# Altium PCB 256sog - killed.PcbDoc (part 3 of 4) (continued)
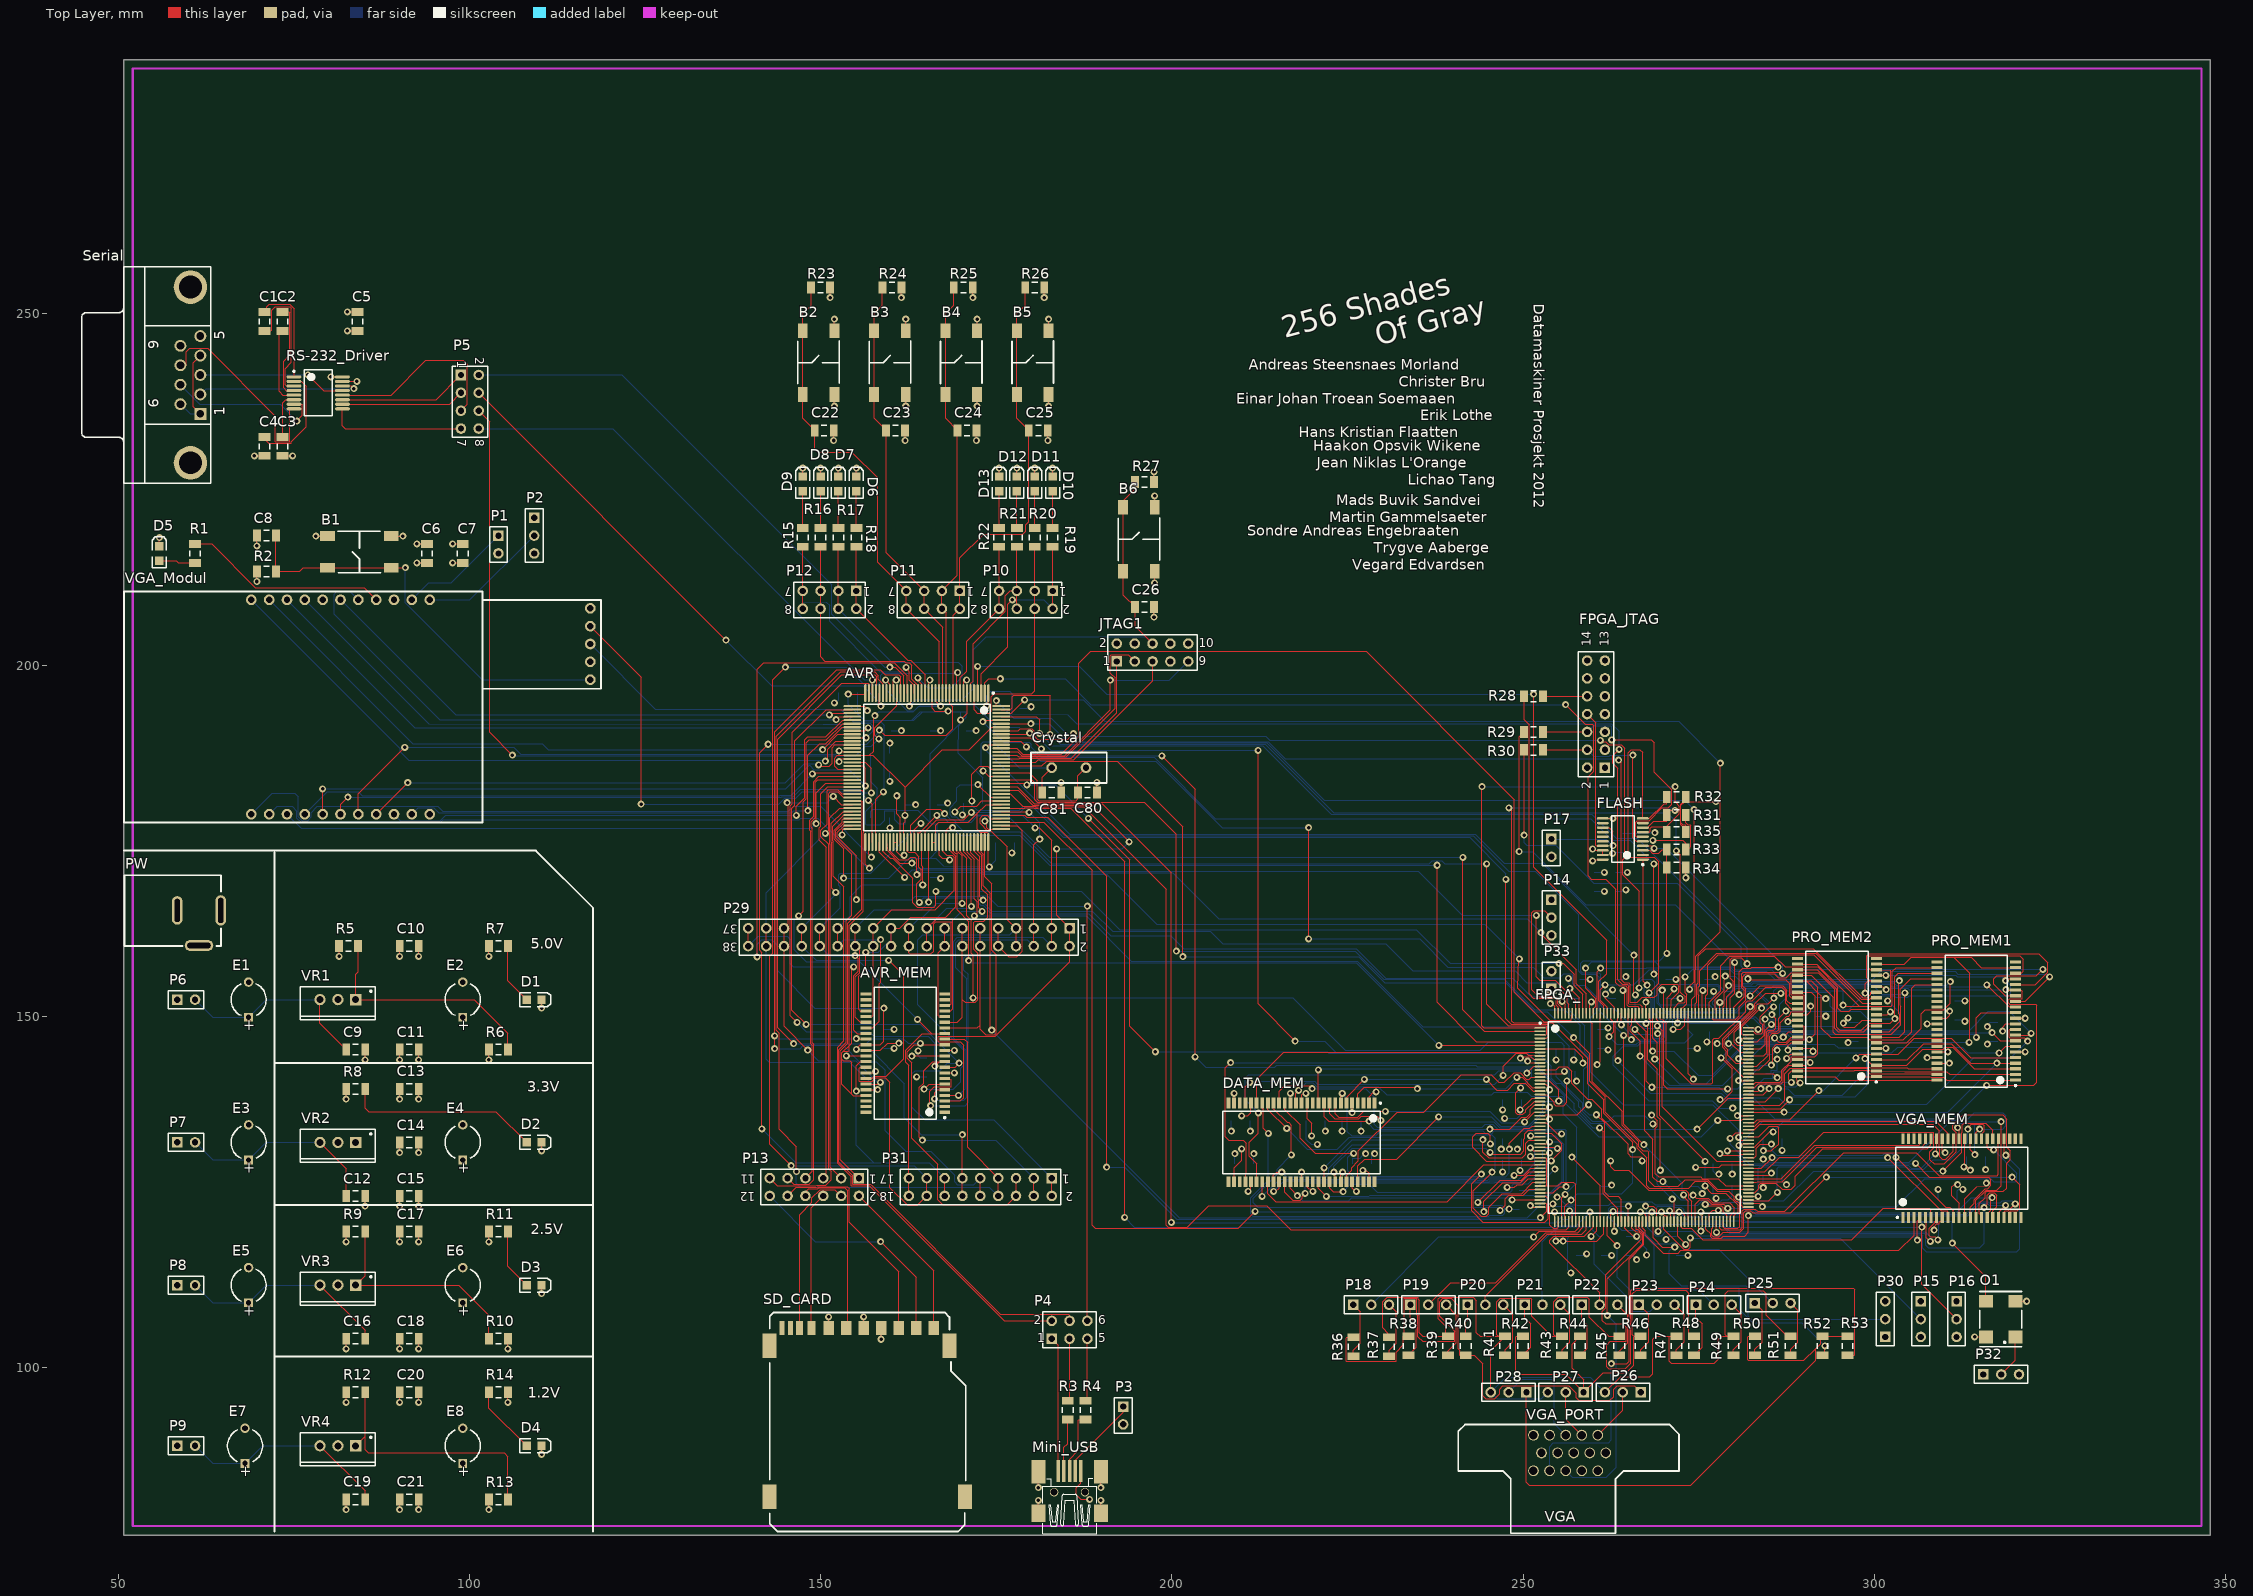
[diagram p0: Top Layer view]
## Nets (pads, with @x,y where several pads share a name; then routed paths per layer and width w, separated by ;. In a path a pad name is that pad's centre, name@x,y a point inside that pad or via, vN(x,y) a via of type N, cw(c..) or ccw(c..) an arc to the next point about the centre after c; other vN are vias at no path point) (continued)
I/O7: AVR.10 AVR_MEM.36 P31.15 P31.16 | length 155
  Top Layer w0.1: v1(144.983,199.72) 143.18,197.917 143.18,159.004 142.773,158.598 142.773,131.801 v1(145.796,128.778) ; AVR_MEM.36@156.452,142.78 155.651,142.78 155.524,142.653 155.524,140.792 157.339,140.792 157.856,141.31 159.198,141.31 159.842,140.665 159.842,125.654 162.357,123.139 163.779,123.139 P31.16@165.1,124.46 P31.15@165.1,127 ; AVR.10@169.35,196.02 169.35,198.814 v1(169.494,198.958)
  Bottom Layer w0.1: v1(144.983,199.72) 153.685,199.72 156.174,197.231 158.09,197.231 158.521,197.663 158.521,198.552 158.84,198.87 169.406,198.87 v1(169.494,198.958) ; v1(145.796,128.778) 163.322,128.778 P31.15@165.1,127
LED0: AVR.3 P10.1 P10.2 R19.2 | length 30.2
  Top Layer w0.1: AVR.3@172.85,196.02 172.85,198.78 176.657,202.587 176.657,208.686 v1(177.267,209.296) ; P10.2@183.007,208.026 P10.1@183.007,210.566 R19.2@183.007,216.836
  Bottom Layer w0.1: v1(177.267,209.296) 181.737,209.296 P10.2@183.007,208.026
LED1: AVR.5 P10.3 P10.4 R20.2 | length 34.2
  Top Layer w0.1: AVR.5@171.85,196.02 171.85,193.631 172.314,193.167 173.99,193.167 174.269,193.446 174.269,195.478 174.701,195.91 180.035,195.91 180.467,196.342 P10.4@180.467,208.026 P10.3@180.467,210.566 R20.2@180.467,216.836
LED2: AVR.6 P10.5 P10.6 R21.2 | length 26.6
  Top Layer w0.1: AVR.6@171.35,196.02 171.35,197.409 171.679,197.737 171.679,203.045 176.287,207.653 176.287,209.866 176.987,210.566 P10.5@177.927,210.566 ; P10.6@177.927,208.026 P10.5@177.927,210.566 ; R21.2@177.927,216.836 P10.5@177.927,210.566
LED3: AVR.9 P10.7 P10.8 R22.2 | length 23.1
  Top Layer w0.1: AVR.9@169.85,196.02 169.85,198.247 170.764,199.161 170.764,203.403 P10.8@175.387,208.026 P10.7@175.387,210.566 R22.2@175.387,216.836
LED4: AVR.19 P12.1 P12.2 R18.2 | length 25.1
  Top Layer w0.1: R18.2@155.067,216.836 P12.1@155.067,210.566 P12.2@155.067,208.026 162.374,200.719 162.785,200.719 164.85,198.654 AVR.19@164.85,196.02
LED5: AVR.20 P12.3 P12.4 R17.2 | length 41.3
  Top Layer w0.1: P12.4@152.527,208.026 P12.3@152.527,210.566 R17.2@152.527,216.836 ; v1(163.83,198.196) 163.83,197.827 164.35,197.307 AVR.20@164.35,196.02
  Bottom Layer w0.1: P12.4@152.527,208.026 160.147,200.406 169.57,200.406 170.155,199.822 170.155,198.349 168.58,196.774 165.252,196.774 v1(163.83,198.196)
LED6: AVR.21 P12.5 P12.6 R16.2 | length 33.5
  Top Layer w0.1: R16.2@149.987,216.836 P12.5@149.987,210.566 P12.6@149.987,208.026 149.987,201.168 150.571,200.584 161.917,200.584 162.14,200.361 162.595,200.361 162.983,199.972 162.983,197.996 163.85,197.129 AVR.21@163.85,196.02
LED7: AVR.22 P12.7 P12.8 R15.2 | length 34.2
  Top Layer w0.1: P12.8@147.447,208.026 P12.7@147.447,210.566 R15.2@147.447,216.836 ; v1(162.154,199.695) 162.636,199.009 162.636,197.843 163.35,197.129 AVR.22@163.35,196.02
  Bottom Layer w0.1: P12.8@147.447,208.026 147.447,208.89 150.774,208.991 151.257,208.509 151.257,206.223 158.409,199.07 161.529,199.07 v1(162.154,199.695)
NetAVR_16: AVR.16 AVR.29 AVR.51 AVR.55 AVR.84 AVR.138 C27.2 C28.2 C29.2 C30.2 C31.2 | length 108.2
  Top Layer w0.1: AVR.55@154.5,185.17 152.4,185.17 151.968,185.602 151.968,186.738 152.388,187.158 153.279,187.158 153.279,187.17 AVR.51@154.5,187.17 ; v1(157.709,192.811) 157.519,192.622 157.519,187.757 156.932,187.17 ; v1(159.258,197.891) 159.85,197.299 AVR.29@159.85,196.02 ; AVR.84@161.85,174.82 161.85,177.571 162.001,177.723 v1(162.001,178.613) 162.001,182.601 ; AVR.16@166.35,196.02 166.35,194.863 v1(167.056,194.158) ; AVR.138@175.7,191.17 174.346,191.17 171.11,187.935 167.335,187.935 162.001,182.601 ; AVR.51@154.5,187.17 156.932,187.17 ; AVR.51@154.5,187.17 156.932,187.17 ; 156.932,187.17 157.432,187.17 162.001,182.601
  Bottom Layer w0.1: C27.2@157.146,187.452 C31.2@157.146,184.912 157.146,183.396 158.054,182.489 158.054,180.838 156.439,179.222 156.439,177.394 156.54,177.292 158.496,177.292 159.146,177.942 159.146,179.308 160.553,179.308 160.553,178.003 161.091,177.466 C30.2@162.001,177.466 ; v1(157.709,192.811) 158.271,193.374 C28.2@160.02,193.374 163.144,193.374 163.294,193.524 ; v1(159.258,197.891) 159.258,196.581 162.315,193.524 163.294,193.524 ; v1(162.001,178.613) C30.2@162.001,177.466 ; v1(167.056,194.158) 164.157,194.158 ; C29.2@178.308,191.182 175.061,191.182 171.856,194.386 167.056,194.386 164.157,194.386 164.157,194.158 ; C30.2@162.001,177.466 C30.2@162.052,177.466 C30.2@162.001,177.466 ; 163.294,193.524 163.928,194.158 ; 163.294,193.524 163.928,194.158 ; 163.928,194.158 164.157,194.158 ; 163.928,194.158 164.157,194.158
NetAVR_23: AVR.23 B6.3 B6.4 C26.2 JTAG1.6 R27.1 | length 69.7
  Top Layer w0.1: v1(162.636,194.183) 162.85,194.397 AVR.23@162.85,196.02 ; R27.1@194.738,226.06 194.738,225.091 193.04,223.393 B6.3@193.04,222.46 B6.4@193.04,213.36 193.04,209.978 C26.2@194.738,208.28 194.738,205.566 JTAG1.6@197.231,203.073
  Bottom Layer w0.1: v1(162.636,194.183) 163.551,195.097 170.129,195.097 171.679,196.647 171.679,202.184 173.533,204.038 196.266,204.038 JTAG1.6@197.231,203.073
NetAVR_68: AVR.68 P4.2 | length 93
  Top Layer w0.1: AVR.68@154.5,178.67 153.213,178.67 153.213,178.573 151.724,177.085 151.724,175.015 151.783,174.957 151.783,169.984 153.314,168.453 153.314,146.54 152.405,145.63 152.405,129.138 154.348,127.195 154.348,125.9 156.878,125.9 176.098,106.68 P4.2@182.88,106.68
NetAVR_70: AVR.70 P4.4 | length 95.1
  Top Layer w0.1: AVR.70@154.5,177.67 153.391,177.67 152.129,176.409 152.129,175.357 154.407,173.079 154.407,164.414 153.619,163.627 153.619,146.303 152.605,145.288 152.605,129.276 154.548,127.333 154.548,126.1 157.135,126.1 175.59,107.645 185.318,107.645 185.42,107.544 P4.4@185.42,106.68
NetAVR_71: AVR.71 P4.6 | length 106
  Top Layer w0.1: AVR.71@154.5,177.17 153.319,177.17 152.375,176.225 152.375,175.59 155.067,172.898 v1(155.067,166.649) ; P4.6@187.96,106.68 v1(187.96,165.71)
  Bottom Layer w0.1: v1(155.067,166.649) 162.992,166.649 163.461,167.118 172.397,167.118 172.476,167.198 173.686,167.198 175.174,165.71 v1(187.96,165.71)
NetAVR_124: AVR.124 C81.1 Crystal.1 | length 22.7
  Top Layer w0.1: v1(173.126,184.963) 173.919,184.17 AVR.124@175.7,184.17 ; C81.1@181.53,181.864 181.53,184.07 Crystal.1@182.88,185.42
  Bottom Layer w0.1: v1(173.126,184.963) 172.822,185.268 172.822,188.824 173.126,189.128 174.549,189.128 178.257,185.42 Crystal.1@182.88,185.42
NetAVR_125: AVR.125 C80.1 Crystal.2 | length 19.1
  Top Layer w0.1: AVR.125@175.7,184.67 179.718,184.67 180.827,183.562 180.827,180.941 181.051,180.717 186.338,180.717 186.61,180.989 C80.1@186.61,181.864 186.61,184.27 Crystal.2@187.76,185.42
NetAVR_128: AVR.128 JTAG1.5 | length 29.1
  Top Layer w0.1: AVR.128@175.7,186.17 180.603,186.17 180.965,186.532 185.999,186.532 197.231,197.764 JTAG1.5@197.231,200.533
NetAVR_129: AVR.129 JTAG1.1 | length 26.5
  Top Layer w0.1: AVR.129@175.7,186.67 178.262,186.67 178.324,186.732 185.663,186.732 192.151,193.22 JTAG1.1@192.151,200.533
NetAVR_130: AVR.130 JTAG1.3 | length 30.8
  Top Layer w0.1: AVR.130@175.7,187.17 177.921,187.17 178.159,186.932 184.951,186.932 191.897,193.878 191.897,198.222 191.237,198.882 191.237,201.371 191.338,201.473 193.751,201.473 JTAG1.3@194.691,200.533
NetAVR_131: AVR.131 JTAG1.9 | length 34.9
  Top Layer w0.1: AVR.131@175.7,187.67 178.05,187.67 178.588,187.132 184.743,187.132 191.237,193.626 v1(191.237,197.866)
  Bottom Layer w0.1: v1(191.237,197.866) 199.644,197.866 JTAG1.9@202.311,200.533
NetC1_1: C1.1 RS-232_Driver.1 | length 15
  Top Layer w0.1: C1.1@70.866,250.27 71.171,250.27 71.171,250.977 71.526,251.333 74.473,251.333 75.057,250.749 75.057,241.035 RS-232_Driver.1@75.036,241.035
NetC1_2: C1.2 RS-232_Driver.3 | length 19.5
  Top Layer w0.1: C1.2@70.866,247.57 71.751,247.57 71.882,247.701 71.882,250.52 72.339,250.977 74.498,250.977 74.676,250.8 74.676,243.078 73.812,242.214 73.812,239.878 73.955,239.735 RS-232_Driver.3@75.036,239.735
NetC2_1: C2.1 RS-232_Driver.5 | length 11.4
  Top Layer w0.1: C2.1@73.406,247.57 72.949,247.57 72.949,238.963 73.477,238.435 RS-232_Driver.5@75.036,238.435
NetC2_2: C2.2 RS-232_Driver.4 | length 13.7
  Top Layer w0.1: C2.2@73.406,250.27 74.291,250.27 74.422,250.139 74.422,244.145 73.558,243.281 73.558,239.491 73.965,239.085 RS-232_Driver.4@75.036,239.085
NetC3_1: C3.1 RS-232_Driver.6 | length 6.7
  Top Layer w0.1: C3.1@73.406,232.49 73.406,237.338 73.853,237.785 RS-232_Driver.6@75.036,237.785
NetC4_1: C4.1 RS-232_Driver.2 | length 15.6
  Top Layer w0.1: C4.1@70.866,232.49 71.171,232.49 71.171,231.851 71.432,231.59 74.638,231.59 74.638,231.793 76.793,233.948 76.793,239.691 76.099,240.385 RS-232_Driver.2@75.036,240.385
NetC9_2: C9.2 E1.1 P6.2 VR1.3 | length 28.5
  Top Layer w0.1: VR1.3@78.74,152.4 78.74,149.018 C9.2@82.47,145.288
  Bottom Layer w0.1: P6.2@60.96,152.4 63.46,149.9 E1.1@68.58,149.9 71.08,152.4 VR1.3@78.74,152.4
NetC12_2: C12.2 E3.1 P7.2 VR2.3 | length 29
  Top Layer w0.1: VR2.3@78.74,132.08 82.47,128.35 C12.2@82.47,124.46
  Bottom Layer w0.1: P7.2@60.96,132.08 63.46,129.58 E3.1@68.58,129.58 71.08,132.08 VR2.3@78.74,132.08
NetC16_2: C16.2 E5.1 P8.2 VR3.3 | length 30.1
  Top Layer w0.1: VR3.3@78.74,111.76 85.17,105.33 C16.2@85.17,104.14
  Bottom Layer w0.1: P8.2@60.96,111.76 63.46,109.26 E5.1@68.58,109.26 71.08,111.76 VR3.3@78.74,111.76
NetC19_2: C19.2 E7.1 P9.2 VR4.3 | length 30.1
  Top Layer w0.1: VR4.3@78.74,88.9 85.17,82.47 C19.2@85.17,81.28
  Bottom Layer w0.1: P9.2@60.96,88.9 63.46,86.4 E7.1@68.072,86.4 70.572,88.9 VR4.3@78.74,88.9
NetD1_1: D1.1 R7.1 | length 8.7
  Top Layer w0.1: R7.1@105.49,160.02 105.49,155.08 D1.1@108.17,152.4
NetD2_1: D2.1 R8.1 | length 27.8
  Top Layer w0.1: R8.1@85.17,139.7 85.17,136.957 85.653,136.474 103.776,136.474 D2.1@108.17,132.08
NetD3_1: D3.1 R11.1 | length 8.7
  Top Layer w0.1: R11.1@105.49,119.38 105.49,114.44 D3.1@108.17,111.76
NetD4_1: D4.1 R14.1 | length 9.8
  Top Layer w0.1: R14.1@102.79,96.52 102.79,94.28 D4.1@108.17,88.9
NetD5_1: D5.1 R1.2 | length 5.2
  Top Layer w0.1: D5.1@55.88,214.85 58.268,214.85 58.568,214.55 R1.2@60.96,214.55
NetD6_1: D6.1 R18.1 | length 5.2
  Top Layer w0.1: R18.1@155.067,219.536 D6.1@155.067,224.756
NetD7_1: D7.1 R17.1 | length 5.2
  Top Layer w0.1: R17.1@152.527,219.536 D7.1@152.527,224.756
NetD8_1: D8.1 R16.1 | length 5.2
  Top Layer w0.1: R16.1@149.987,219.536 D8.1@149.987,224.756
NetD9_1: D9.1 R15.1 | length 5.2
  Top Layer w0.1: R15.1@147.447,219.536 D9.1@147.447,224.756
NetD10_1: D10.1 R19.1 | length 5.2
  Top Layer w0.1: R19.1@183.007,219.536 D10.1@183.007,224.756
NetD11_1: D11.1 R20.1 | length 5.2
  Top Layer w0.1: R20.1@180.467,219.536 D11.1@180.467,224.756
NetD12_1: D12.1 R21.1 | length 5.2
  Top Layer w0.1: R21.1@177.927,219.536 D12.1@177.927,224.756
NetD13_1: D13.1 R22.1 | length 5.2
  Top Layer w0.1: R22.1@175.387,219.536 D13.1@175.387,224.756
NetFLASH_13: FLASH.13 P17.1 | length 12.9
  Top Layer w0.1: FLASH.13@261.31,176.885 262.256,176.885 262.763,176.378 v1(262.763,174.32)
  Bottom Layer w0.1: P17.1@254,175.26 261.823,175.26 v1(262.763,174.32)
NetFPGA__80: FPGA_.80 O1.3 | length 58.9
  Top Layer w0.1: FPGA_.80@267.958,120.811 267.958,121.832 v1(268.3,122.174) ; v1(311.048,117.754) 315.84,112.963 O1.3@315.84,109.474
  Bottom Layer w0.1: v1(268.3,122.174) 269.103,122.976 271.359,122.976 271.475,122.86 272.491,122.86 272.812,122.539 272.812,122.326 273.65,121.488 280.985,121.488 281.584,120.889 310.86,120.889 311.048,120.701 v1(311.048,117.754)
NetFPGA__81: FPGA_.81 P30.2 | length 45.9
  Top Layer w0.1: FPGA_.81@268.458,120.811 268.458,118.511 269.799,117.17 v1(271.551,117.17)
  Bottom Layer w0.1: v1(271.551,117.17) 271.297,117.17 270.764,116.637 270.764,113.386 272.491,111.658 281.635,111.658 282.042,111.252 282.042,107.315 282.423,106.934 P30.2@301.498,106.934
NetFPGA__84: FPGA_.84 P15.2 | length 45.1
  Top Layer w0.1: FPGA_.84@269.958,120.811 269.958,119.754 272.809,116.903 273.507,116.903 273.761,117.157 v1(273.761,118.491)
  Bottom Layer w0.1: v1(273.761,118.491) 273.824,118.428 295.084,118.428 P15.2@306.578,106.934
NetFPGA__86: FPGA_.86 P16.2 | length 53.6
  Top Layer w0.1: v1(270.815,122.326) 270.958,122.183 FPGA_.86@270.958,120.811 ; v1(306.73,120.015) 306.73,111.862 P16.2@311.658,106.934
  Bottom Layer w0.1: v1(270.815,122.326) 272.493,120.648 278.44,120.648 279.073,120.015 v1(306.73,120.015)
NetFPGA__155: FPGA_.155 R30.1 | length 80.9
  Top Layer w0.1: R30.1@250.11,187.96 250.11,175.823 v1(250.114,175.819) ; v1(280.721,153.111) 280.721,156.347 281.229,156.855 282.372,156.855 282.539,157.023 v1(286.258,157.023) ; FPGA_.155@282.033,147.886 282.746,147.886 283.108,147.523 283.855,147.523 284.058,147.726 284.058,148.793 283.743,149.108 283.743,149.962 285.14,151.359 v1(285.623,151.359)
  Bottom Layer w0.1: v1(250.114,175.819) 250.114,174.752 250.52,174.346 254.635,174.346 260.045,168.935 271.932,168.935 281.026,159.842 281.026,157.15 281.32,156.855 286.091,156.855 v1(286.258,157.023) ; v1(280.721,153.111) 280.721,153.311 281.229,153.819 283.163,153.819 v1(285.623,151.359)
NetFPGA__158: FPGA_.158 R29.1 | length 62.3
  Top Layer w0.1: v1(249.403,173.482) 249.403,189.793 R29.1@250.11,190.5 ; FPGA_.158@279.458,150.461 279.458,152.691 280.086,153.319 v1(280.086,157.709)
  Bottom Layer w0.1: v1(249.403,173.482) 251.308,173.482 258.851,165.938 271.653,165.938 279.984,157.607 280.086,157.505 v1(280.086,157.709)
NetFPGA__204: FPGA_.204 P33.1 | length 5.2
  Top Layer w0.1: P33.1@254,153.924 255.143,153.924 256.278,152.789 256.278,151.936 256.458,151.756 FPGA_.204@256.458,150.461
NetFPGA__206: FPGA_.206 P14.2 | length 20.8
  Top Layer w0.1: P14.2@254,164.084 253.035,165.049 251.46,165.049 251.206,164.795 251.206,153.775 252.171,152.81 254.581,152.81 254.874,152.517 254.874,151.843 255.458,151.259 FPGA_.206@255.458,150.461
NetFPGA__207: FPGA_.207 R28.1 | length 48.9
  Top Layer w0.1: R28.1@250.11,195.58 250.11,192.231 250.825,191.516 250.825,153.213 251.428,152.61 254.471,152.61 254.674,152.406 254.674,151.58 254.958,151.296 FPGA_.207@254.958,150.461
NetMini_USB_1: Mini_USB.1 P4.1 | length 19.2
  Top Layer w0.1: P4.1@182.88,104.14 183.82,103.2 Mini_USB.1@183.82,85.296
NetMini_USB_2: Mini_USB.2 R3.2 | length 7.6
  Top Layer w0.1: Mini_USB.2@184.62,85.296 184.62,88.671 185.166,89.218 R3.2@185.166,92.63
NetMini_USB_3: Mini_USB.3 R4.2 | length 8.8
  Top Layer w0.1: Mini_USB.3@185.42,85.296 185.42,87.02 186.639,88.24 186.639,92.528 186.741,92.63 R4.2@187.706,92.63
NetMini_USB_4: Mini_USB.4 P3.1 | length 12
  Top Layer w0.1: Mini_USB.4@186.22,85.296 186.22,86.855 193.04,93.675 P3.1@193.04,94.488
NetO1_1: O1.1 P32.2 | length 6.2
  Top Layer w0.1: P32.2@318.008,99.06 320.04,101.092 O1.1@320.04,104.394
NetP1_1: P1.1 VGA_Modul.10 | length 16.1
  Bottom Layer w0.1: VGA_Modul.10@91.821,209.296 94.234,211.709 97.409,211.709 P1.1@104.14,218.44
NetP2_2: P2.2 VGA_Modul.11 | length 18.6
  Bottom Layer w0.1: VGA_Modul.11@94.361,209.296 100.076,209.296 P2.2@109.22,218.44
NetP4_3: P4.3 R3.1 | length 9.1
  Top Layer w0.1: R3.1@185.166,95.33 185.42,95.33 P4.3@185.42,104.14
NetP4_5: P4.5 R4.1 | length 9.1
  Top Layer w0.1: R4.1@187.706,95.33 187.96,95.33 P4.5@187.96,104.14
NetP5_1: P5.1 RS-232_Driver.11 | length 18.3
  Top Layer w0.1: RS-232_Driver.11@81.936,237.785 95.291,237.785 P5.1@98.806,241.3
NetP5_3: P5.3 RS-232_Driver.10 | length 17.5
  Top Layer w0.1: RS-232_Driver.10@81.936,237.135 97.181,237.135 P5.3@98.806,238.76
NetP5_5: P5.5 RS-232_Driver.12 | length 27
  Top Layer w0.1: RS-232_Driver.12@81.936,238.435 88.88,238.435 93.828,243.383 99.162,243.383 99.72,242.824 99.72,237.134 P5.5@98.806,236.22
NetP5_7: P5.7 RS-232_Driver.9 | length 19.4
  Top Layer w0.1: RS-232_Driver.9@81.936,236.485 81.936,234.086 82.342,233.68 P5.7@98.806,233.68
NetP13_2: P13.2 SD_CARD.9 | length 23.2
  Top Layer w0.1: P13.2@155.448,124.46 166.116,113.792 SD_CARD.9@166.116,105.664
NetP13_4: P13.4 SD_CARD.8 | length 24.3
  Top Layer w0.1: SD_CARD.8@146.991,105.664 146.991,121.82 148.742,123.571 148.742,124.204 149.913,125.374 151.994,125.374 P13.4@152.908,124.46
NetP13_6: P13.6 SD_CARD.7 | length 19.5
  Top Layer w0.1: SD_CARD.7@148.691,105.664 148.691,122.783 P13.6@150.368,124.46
NetP13_8: P13.8 SD_CARD.5 | length 26.6
  Top Layer w0.1: P13.8@147.828,124.46 147.828,124.993 148.335,125.5 149.61,125.5 149.713,125.603 153.391,125.603 153.822,125.171 153.822,106.124 153.616,105.918 SD_CARD.5@153.616,105.664
NetP13_10: P13.10 SD_CARD.2 | length 32.2
  Top Layer w0.1: P13.10@145.288,124.46 146.528,125.7 149.401,125.7 149.504,125.803 153.8,125.803 154.076,125.527 154.076,120.701 161.116,113.661 SD_CARD.2@161.116,105.664
NetP13_12: P13.12 SD_CARD.1 | length 32.9
  Top Layer w0.1: v1(158.521,117.958) 163.616,112.863 SD_CARD.1@163.616,105.664
  Bottom Layer w0.1: P13.12@142.748,124.46 149.25,117.958 v1(158.521,117.958)
NetP18_1: P18.1 R36.1 | length 8.2
  Top Layer w0.1: R36.1@225.806,101.647 225.806,102.489 226.822,103.505 226.822,107.95 P18.1@225.806,108.966
NetP18_3: P18.3 R37.1 | length 8.2
  Top Layer w0.1: R37.1@230.886,101.647 230.886,102.489 231.902,103.505 231.902,107.95 P18.3@230.886,108.966
NetP19_1: P19.1 R38.1 | length 8
  Top Layer w0.1: R38.1@233.68,101.774 234.798,102.892 234.798,106.274 233.934,107.137 P19.1@233.934,108.966
NetP19_3: P19.3 R39.1 | length 8.3
  Top Layer w0.1: P19.3@239.014,108.966 240.468,107.512 240.468,103.535 239.268,102.335 R39.1@239.268,101.774
NetP20_1: P20.1 R40.1 | length 4.6
  Top Layer w0.1: R40.1@241.808,104.474 241.808,106.578 242.062,106.832 P20.1@242.062,108.966
NetP20_3: P20.3 R41.1 | length 8.2
  Top Layer w0.1: P20.3@247.142,108.966 248.514,107.594 248.514,103.683 247.396,102.565 R41.1@247.396,101.774
NetP21_1: P21.1 R42.1 | length 8
  Top Layer w0.1: R42.1@249.936,101.774 251.054,102.892 251.054,106.274 250.19,107.137 P21.1@250.19,108.966
NetP21_3: P21.3 R43.1 | length 8.2
  Top Layer w0.1: P21.3@255.27,108.966 256.594,107.642 256.594,103.635 255.524,102.565 R43.1@255.524,101.774
NetP22_1: P22.1 R44.1 | length 7.9
  Top Layer w0.1: R44.1@258.064,101.774 259.077,102.787 259.077,106.065 258.318,106.824 P22.1@258.318,108.966
NetP22_3: P22.3 R45.1 | length 8.3
  Top Layer w0.1: P22.3@263.398,108.966 264.852,107.512 264.852,103.535 263.652,102.335 R45.1@263.652,101.774
NetP23_1: P23.1 R46.1 | length 8.2
  Top Layer w0.1: P23.1@266.446,108.966 267.818,107.594 267.818,103.683 266.7,102.565 R46.1@266.7,101.774
NetP23_3: P23.3 R47.1 | length 8.2
  Top Layer w0.1: P23.3@271.526,108.966 272.898,107.594 272.898,103.683 271.78,102.565 R47.1@271.78,101.774
NetP24_1: P24.1 R48.1 | length 8
  Top Layer w0.1: R48.1@274.32,101.774 275.438,102.892 275.438,106.274 274.574,107.137 P24.1@274.574,108.966
NetP24_3: P24.3 R49.1 | length 8.2
  Top Layer w0.1: P24.3@279.654,108.966 281.026,107.594 281.026,103.683 279.908,102.565 R49.1@279.908,101.774
NetP25_1: P25.1 R50.1 | length 8.3
  Top Layer w0.1: R50.1@282.956,101.774 282.956,102.616 283.972,103.632 283.972,108.204 P25.1@282.956,109.22
NetP25_3: P25.3 R51.1 | length 8.3
  Top Layer w0.1: R51.1@288.036,101.774 288.036,102.616 289.052,103.632 289.052,108.204 P25.3@288.036,109.22
NetP26_2: P26.2 VGA_PORT.1 | length 7.6
  Top Layer w0.1: VGA_PORT.1@260.604,90.424 264.16,93.98 P26.2@264.16,96.52
NetP27_2: P27.2 VGA_PORT.2 | length 7
  Top Layer w0.1: P27.2@256.032,96.52 256.032,92.706 VGA_PORT.2@258.314,90.424
NetP28_2: P28.2 VGA_PORT.3 | length 15.7
  Bottom Layer w0.1: P28.2@247.904,96.52 249.784,98.4 254,98.4 254.406,97.993 254.406,92.042 VGA_PORT.3@256.024,90.424
NetR1_1: R1.1 VGA_Modul.8 | length 29.1
  Top Layer w0.1: R1.1@60.96,217.25 63.318,217.25 69.545,211.023 85.014,211.023 VGA_Modul.8@86.741,209.296
NetR5_1: R5.1 R6.2 VR1.1 | length 33.7
  Top Layer w0.1: R5.1@84.154,160.02 84.154,156.366 83.82,156.032 VR1.1@83.82,152.4 100.689,152.4 105.49,147.599 R6.2@105.49,145.288
NetR9_1: R9.1 R10.2 VR3.1 | length 32.3
  Top Layer w0.1: R9.1@85.17,119.38 85.17,113.11 VR3.1@83.82,111.76 98.523,111.76 102.79,107.493 R10.2@102.79,104.14
NetR12_1: R12.1 R13.2 VR4.1 | length 43.2
  Top Layer w0.1: VR4.1@83.82,88.9 85.17,90.25 ; R13.2@105.49,81.28 105.49,87.376 104.957,87.909 85.627,87.909 85.17,88.367 85.17,90.25 ; 85.17,90.25 R12.1@85.17,96.52 85.17,90.25
NetRS-232_Driver_7: RS-232_Driver.7 Serial.7 | length 22.6
  Top Layer w0.1: RS-232_Driver.7@75.036,237.135 76.149,237.135 76.251,237.033 76.251,235.56 v1(75.438,234.747)
  Bottom Layer w0.1: Serial.7@58.88,239.915 61.661,237.134 73.05,237.134 v1(75.438,234.747)
NetRS-232_Driver_8: RS-232_Driver.8 Serial.8 | length 30.6
  Top Layer w0.1: Serial.8@58.88,242.685 59.741,242.685 59.741,244.602 60.223,245.085 62.763,245.085 72.39,235.458 72.39,231.79 74.422,231.79 74.422,236.485 RS-232_Driver.8@75.036,236.485
NetRS-232_Driver_13: RS-232_Driver.13 Serial.3 | length 21.1
  Top Layer w0.1: v1(77.033,241.3) 79.248,239.085 RS-232_Driver.13@81.936,239.085
  Bottom Layer w0.1: Serial.3@61.72,241.3 v1(77.033,241.3)
NetRS-232_Driver_14: RS-232_Driver.14 Serial.2 | length 24
  Top Layer w0.1: RS-232_Driver.14@81.936,239.735 83.175,239.735 v1(83.566,239.344)
  Bottom Layer w0.1: Serial.2@61.72,238.53 62.534,239.344 v1(83.566,239.344)
NetSerial_1: Serial.1 Serial.4 Serial.6 | length 12.6
  Top Layer w0.1: Serial.1@61.72,235.76 60.706,236.774 60.706,243.056 Serial.4@61.72,244.07
  Bottom Layer w0.1: Serial.6@58.88,237.145 60.265,235.76 Serial.1@61.72,235.76
PRO_A0: FPGA_.129 PRO_MEM1.5 PRO_MEM2.5 | length 44.2
  Top Layer w0.1: FPGA_.129@282.033,134.886 282.838,134.886 283.266,135.314 287.943,135.314 v1(292.075,139.446) ; v1(297.332,144.094) 297.898,144.66 PRO_MEM2.5@300.24,144.66 303.359,144.66 305.638,146.939 310.896,146.939 313.683,144.152 PRO_MEM1.5@320.052,144.152
  Bottom Layer w0.1: v1(292.075,139.446) 292.684,139.446 v1(297.332,144.094)
PRO_A1: FPGA_.132 PRO_MEM1.4 PRO_MEM2.4 | length 62.8
  Top Layer w0.1: FPGA_.132@282.033,136.386 v1(287.113,136.386) ; PRO_MEM2.4@300.24,143.86 304.667,143.86 306.959,146.152 310.871,146.152 313.67,143.352 v1(317.393,143.352) ; v1(317.393,143.352) PRO_MEM1.4@320.052,143.352 v1(317.393,143.352)
  Bottom Layer w0.1: v1(287.113,136.386) 310.427,136.386 v1(317.393,143.352)
PRO_A2: FPGA_.133 PRO_MEM1.3 PRO_MEM2.3 | length 46.2
  Top Layer w0.1: FPGA_.133@282.033,136.886 286.644,136.886 v1(287.909,138.151) ; v1(298.628,143.993) 298.762,143.993 299.695,143.06 PRO_MEM2.3@300.24,143.06 304.553,143.06 306.832,145.339 309.778,145.339 310.058,145.618 311.099,145.618 314.165,142.552 PRO_MEM1.3@320.052,142.552
  Bottom Layer w0.1: v1(287.909,138.151) 288.354,138.596 297.244,138.596 298.856,140.208 298.856,143.764 v1(298.628,143.993)
PRO_A3: FPGA_.134 PRO_MEM1.2 PRO_MEM2.2 | length 42.7
  Top Layer w0.1: FPGA_.134@282.033,137.386 286.512,137.386 287.181,138.055 287.181,141.83 287.997,142.646 289.929,142.646 289.971,142.604 298.97,142.604 299.314,142.26 PRO_MEM2.2@300.24,142.26 304.312,142.164 310.286,142.164 310.698,141.752 PRO_MEM1.2@320.052,141.752
PRO_A4: FPGA_.135 PRO_MEM1.1 PRO_MEM2.1 | length 40.6
  Top Layer w0.1: FPGA_.135@282.033,137.886 284.444,137.886 v1(286.283,139.725) ; v1(298.196,141.63) 298.366,141.46 PRO_MEM2.1@300.24,141.46 307.924,141.46 308.033,141.351 309.855,141.351 310.254,140.952 PRO_MEM1.1@320.052,140.952
  Bottom Layer w0.1: v1(286.283,139.725) 287.63,139.725 288.559,138.796 295.362,138.796 v1(298.196,141.63)
PRO_A5: FPGA_.137 PRO_MEM1.44 PRO_MEM2.44 | length 30.4
  Top Layer w0.1: FPGA_.137@282.033,138.886 284.123,138.886 v1(284.988,139.751) ; v1(289.382,140.538) 288.889,140.538 288.815,141.441 288.813,141.46 PRO_MEM2.44@289.04,141.46 294.386,141.46 294.894,140.952 PRO_MEM1.44@308.852,140.952
  Bottom Layer w0.1: v1(284.988,139.751) 284.988,140.233 285.205,140.45 286.854,140.45 287.319,139.985 288.768,139.985 289.321,140.538 v1(289.382,140.538)
PRO_A6: FPGA_.138 PRO_MEM1.43 PRO_MEM2.43 | length 29.5
  Top Layer w0.1: FPGA_.138@282.033,139.386 283.455,139.386 v1(283.82,139.751) ; v1(288.163,140.64) 287.791,141.012 287.791,141.868 288.183,142.26 PRO_MEM2.43@289.04,142.26 297.112,142.26 297.19,142.338 298.86,142.338 299.314,141.884 308.173,141.884 308.305,141.752 PRO_MEM1.43@308.852,141.752
  Bottom Layer w0.1: v1(283.82,139.751) 284.719,140.65 288.153,140.65 v1(288.163,140.64)
PRO_A7: FPGA_.139 PRO_MEM1.42 PRO_MEM2.42 | length 29.2
  Top Layer w0.1: FPGA_.139@282.033,139.886 282.9,139.886 283.464,140.45 286.715,140.45 286.981,140.716 286.981,142.24 287.801,143.06 PRO_MEM2.42@289.04,143.06 289.995,143.06 290.252,142.804 299.283,142.804 299.415,142.672 304.655,142.672 304.775,142.552 PRO_MEM1.42@308.852,142.552
PRO_A8: FPGA_.140 PRO_MEM1.27 PRO_MEM2.27 | length 58.3
  Top Layer w0.1: FPGA_.140@282.033,140.386 282.829,140.386 283.093,140.65 286.512,140.65 286.781,140.919 286.781,142.331 288.112,143.662 288.112,144.17 288.214,144.272 291.49,144.272 291.897,144.678 291.897,153.409 ; PRO_MEM1.27@308.852,154.552 305.809,154.552 305.283,154.026 305.283,147.853 304.089,146.66 299.314,146.66 298.958,147.015 293.726,147.015 292.379,148.361 292.379,152.926 291.897,153.409 ; 290.246,155.06 291.897,153.409 ; 290.246,155.06 290.984,155.06 291.897,154.148 291.897,153.409 ; 290.246,155.06 PRO_MEM2.27@289.04,155.06 290.246,155.06
PRO_A9: FPGA_.144 PRO_MEM1.26 PRO_MEM2.26 | length 54.5
  Top Layer w0.1: FPGA_.144@282.033,142.386 283.566,142.386 285.058,143.878 285.058,147.22 285.454,147.616 286.233,147.616 286.546,147.93 286.546,149.092 287.506,150.052 287.757,150.052 288.072,150.368 288.072,150.618 288.102,150.647 289.865,150.647 289.966,150.749 289.966,152.959 289.865,153.06 288.138,153.06 288.097,153.101 288.097,155.707 288.25,155.86 PRO_MEM2.26@289.04,155.86 291.008,155.86 294.107,152.761 294.107,147.762 294.421,147.447 302.336,147.447 303.745,148.856 303.745,151.462 303.632,151.575 303.632,153.869 305.115,155.352 PRO_MEM1.26@308.852,155.352
PRO_A10: FPGA_.145 PRO_MEM1.25 PRO_MEM2.25 | length 60.6
  Top Layer w0.1: FPGA_.145@282.033,142.886 283.232,142.886 284.858,144.512 284.858,147.585 285.09,147.816 286.029,147.816 286.346,148.133 286.346,149.719 v1(287.376,150.749) ; PRO_MEM2.25@289.04,156.66 291.812,156.66 294.585,153.887 294.585,148.488 295.016,148.057 298.12,148.057 299.136,149.073 302.24,149.073 v1(302.875,149.708) 302.875,155.631 303.396,156.152 PRO_MEM1.25@308.852,156.152
  Bottom Layer w0.1: v1(287.376,150.749) 297.967,150.749 299.009,149.708 v1(302.875,149.708)
PRO_A11: FPGA_.146 PRO_MEM1.24 PRO_MEM2.24 | length 62.3
  Top Layer w0.1: FPGA_.146@282.033,143.386 280.87,143.386 280.852,143.367 280.254,143.367 279.11,144.511 279.11,145.253 278.572,145.791 278.572,146.724 282.97,151.122 282.97,151.79 284.473,153.294 v1(286.644,153.294) ; PRO_MEM2.24@289.04,157.46 291.79,157.46 297.79,151.46 ; v1(295.529,151.613) 295.681,151.46 297.79,151.46 ; PRO_MEM1.24@308.852,156.952 303.055,156.952 302.519,156.416 302.519,151.638 302.341,151.46 ; 297.79,151.46 302.341,151.46 ; 297.79,151.46 302.341,151.46
  Bottom Layer w0.1: v1(286.644,153.294) 287.02,153.67 295.443,153.67 295.529,153.584 v1(295.529,151.613)
PRO_A12: FPGA_.147 PRO_MEM1.21 PRO_MEM2.21 | length 75.6
  Top Layer w0.1: v1(280.645,144.018) 280.777,143.886 FPGA_.147@282.033,143.886 ; PRO_MEM2.21@300.24,157.46 304.221,157.46 305.181,158.42 ; v1(313.436,146.304) 313.512,146.38 313.512,156.159 311.252,158.42 ; PRO_MEM1.21@320.052,156.952 315.183,156.952 313.715,158.42 311.252,158.42 ; 305.181,158.42 311.252,158.42 ; 305.181,158.42 311.252,158.42
  Bottom Layer w0.1: v1(280.645,144.018) 282.699,146.072 294.288,146.072 294.792,145.567 299.085,145.567 299.822,146.304 v1(313.436,146.304)